# Altium PCB BB.PcbDoc (part 2 of 9) (continued)
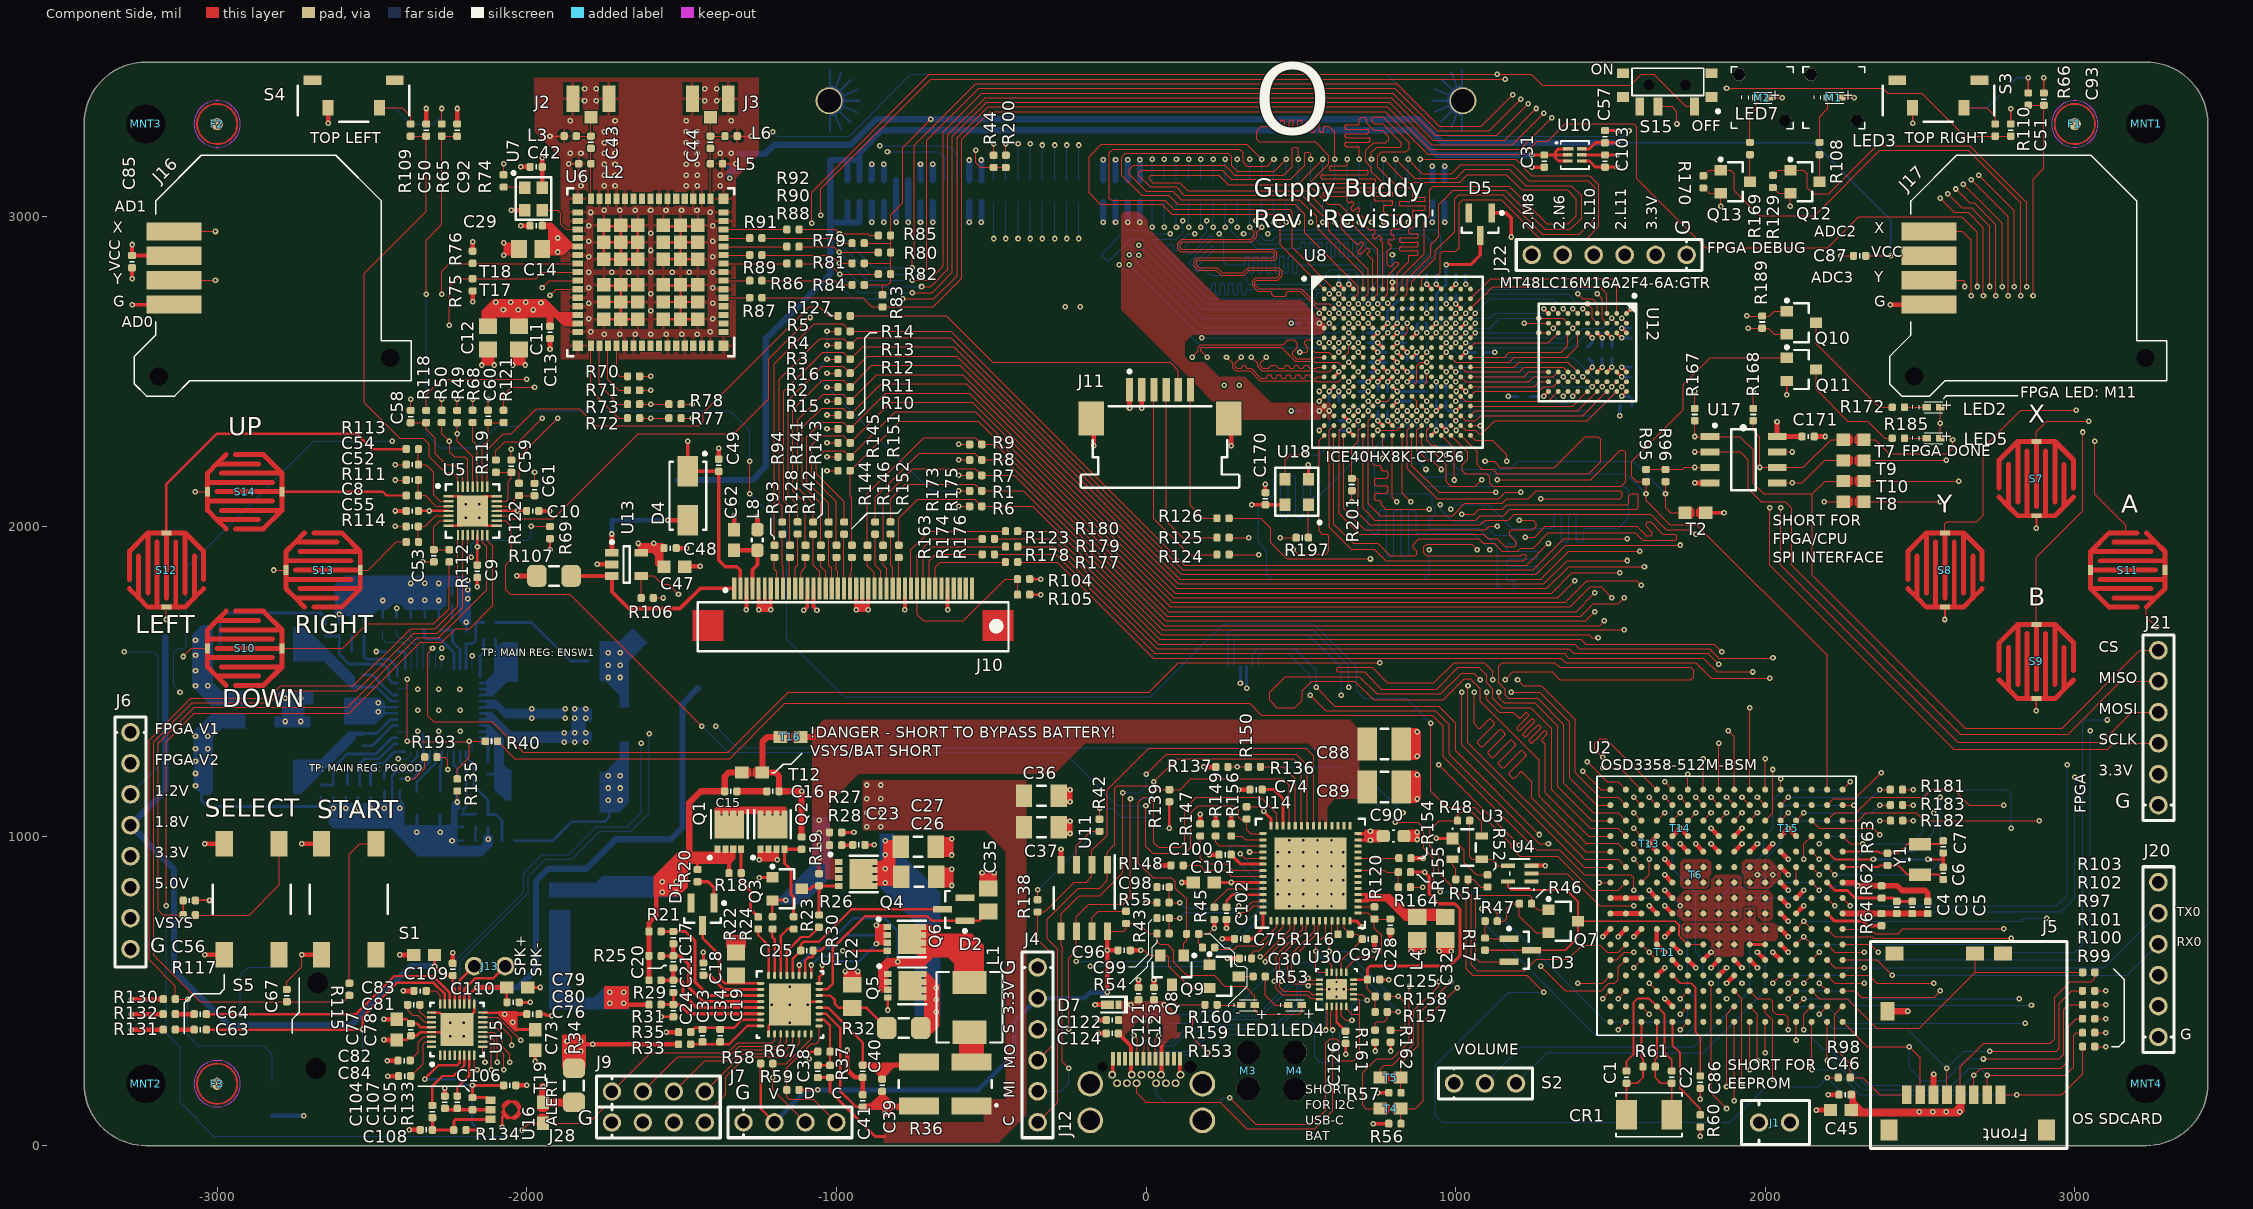
[diagram p0: Component Side view]
## Part data (continued)
J12: "CONN RCPT USB C TOP MNT HYBRID", Manufacturer="JAE Electronics", Manufacturer Part Number=DX07S024XJ1R1100, Supplier Part Number 1=670-2848-1-ND, Category="Connectors, Interconnects", ComponentLink1Description=http://media.digikey.com/pdf/Data%20Sheets/JAE%20PDFs/DX07S024XJ1_Dwg.pdf, ComponentLink1URL=http://media.digikey.com/pdf/Data%20Sheets/JAE%20PDFs/DX07S024XJ1_Dwg.pdf, Connector Type="USB - C", Features="Board Guide", Gender=Receptacle, Ingress Protection=-, Mounting Type="Surface Mount, Right Angle; Through Hole", Number of Contacts=24, Packaging="Cut Tape (CT)", Part Status=Active, Pricing 1="1=2.85, 10=2.587, 25=2.4288, 50=2.3232, 100=2.2176, 250=2.0064, 500=1.848 (USD)", RoHS="RoHS Compliant", Specifications="USB 3.1, Superspeed+", Stock 1=1709, Supplier 1=Digi-Key
J13: library part J_1X2_HOLES
J14 J15: "CONN HEADER PH SIDE 2POS 2MM SMD", Color=Natural, Manufacturer="JST Sales America Inc", Manufacturer Part Number=S2B-PH-SM4-TB(LF)(SN), Supplier Part Number 1=455-1749-1-ND, Category="Connectors, Interconnects", ComponentLink1Description=http://www.jst-mfg.com/product/pdf/eng/ePH.pdf, ComponentLink1URL=http://www.jst-mfg.com/product/pdf/eng/ePH.pdf, Connector Type="Header, Shrouded", Contact Finish=Tin, Contact Finish Thickness=-, Contact Mating Length=-, Contact Type="Male Pin", Fastening Type=-, Features="Solder Retention", Mounting Type="Surface Mount, Right Angle", Number of Positions=2, Number of Positions Loaded=All, Number of Rows=1, Packaging="Cut Tape (CT)", Pitch="0.079\" (2.00mm)", Pricing="1=0.51, 10=0.474, 100=0.3947, 500=0.31576 (USD)", RoHS="RoHS Compliant", Row Spacing=-, Stock 1=29466, Supplier 1=Digi-Key, Termination=Solder
J16 J17: "THUMB SLIDE JOYSTICK", Manufacturer 1=SparkFun, Manufacturer Part Number 1=COM-09426, Supplier Part Number 1=1568-1848-ND, ComponentLink1Description=https://media.digikey.com/pdf/Data%20Sheets/Sparkfun%20PDFs/COM-09426_Web.pdf, ComponentLink1URL=https://media.digikey.com/pdf/Data%20Sheets/Sparkfun%20PDFs/COM-09426_Web.pdf, Stock 1=0, Supplier 1=Digi-Key
J18: "1MM MINI-EDGE CARD ASSEMBLY", Housing Colour=Black, Manufacturer 1=Samtec, Manufacturer Part Number 1=MEC1-150-02-F-D-RA1-SL, Max Operating Temperature=125°C, Min Operating Temperature=-55°C, Supplier Part Number 1=SAM12707-ND, Contact Material=Bronze, Contact Plating=Gold, Gender=Receptacle, Housing Material=Polymer, Mount="Surface Mount", Number of Contacts=100, Number of Rows=2, Orientation="Right Angle", Packaging=Rail/Tube, Pitch=1mm, Pricing 1="1=8.99, 10=8.602, 25=7.82, 50=7.429, 100=7.2335, 250=6.45152, 500=6.0605, 1000=5.3567 (USD)", Radiation Hardening=No, REACH SVHC="No SVHC", Stock 1=50, Supplier 1=Digi-Key, Termination=Solder
J19: library part J_HEADPHONE_JACK, "CONN AUDIO JACK 3.5MM 4COND SMD", Color=Green, Manufacturer="CUI Inc", Manufacturer Part Number=SJ-43516-SMT-GR, Supplier Part Number 1=CP-43516SJGRCT-ND, Category="Connectors, Interconnects", ComponentLink1Description=http://products.cui.com/GetSpecForDigikey.aspx?MFGNum=SJ-43516-SMT, ComponentLink1URL=http://products.cui.com/GetSpecForDigikey.aspx?MFGNum=SJ-43516-SMT, Connector Type="Phone Jack", Features="Board Guide", Gender=Female, Internal Switch(s)="Two Switches", Mounting Type="Surface Mount, Right Angle", Number of Positions/Contacts="4 Conductors, 6 Contacts", Packaging="Cut Tape (CT)", Plug/Mating Plug Diameter="3.50mm (0.141\", 1/8\", Mini Plug) - Headphone", Pricing="1=1.26, 10=0.982, 100=0.749, 500=0.59796 (USD)", RoHS="RoHS Compliant", Shielding=Unshielded, Signal Lines=Stereo, Stock 1=3934, Supplier 1=Digi-Key, Termination=Solder
J20: "CONN HEADER FEMALE 6POS .1\" TIN", Color=Black, Manufacturer=Samtec, Manufacturer Part Number=SSW-106-01-T-S, Category="Connectors, Interconnects", ComponentLink1Description=http://www.sullinscorp.com/drawings/101_xPxCxxxLFBN-RC,_10492-D.pdf, ComponentLink1URL=http://www.sullinscorp.com/drawings/101_xPxCxxxLFBN-RC,_10492-D.pdf, Connector Type=Header, Contact Finish=Tin, Contact Finish Thickness=-, Contact Type="Female Socket", Mounting Type="Through Hole", Number of Positions=6, Number of Positions Loaded=All, Number of Rows=1, Pitch="0.100\" (2.54mm)", Pricing=0.373, Supplier 1=Samtec, Supplier Part Number 1=SSW-106-01-T-S, Termination=Solder
J21 J22: "6 Holes"
L1: "2.2µH Shielded Molded Inductor 5A 37.7 mOhm Max", DC Resistance (DCR)="37.7 mOhm Max", Manufacturer="Vishay Dale", Manufacturer Part Number=IHLP2020BZER2R2M11, Operating Temperature="-55°C ~ 125°C", Package / Case=Nonstandard, Q @ Freq=-, Supplier Part Number 1=541-1220-1-ND, Tolerance=±20%, Category="Inductors, Coils, Chokes", ComponentLink1Description=http://www.vishay.com/docs/34261/ihlp2020bz11.pdf, ComponentLink1URL=http://www.vishay.com/docs/34261/ihlp2020bz11.pdf, Height - Seated (Max)="0.079\" (2.00mm)", Material - Core=-, Mounting Type="Surface Mount", Packaging="Cut Tape (CT)", Part Status=Active, Pricing 1="1=2.39, 10=2.208, 100=1.5456, 500=1.2512, 1000=1.1408 (USD)", Ratings=-, RoHS="RoHS Compliant", Shielding=Shielded, Size / Dimension="0.216\" L x 0.204\" W (5.49mm x 5.18mm)", Stock 1=9448, Supplier 1=Digi-Key, Supplier Device Package=-, Type=Molded
L2 L3: "FIXED IND 1.3NH 1A 90 MOHM", Case/Package=0402, Case Code (Metric)=1005, Current=300mA, DC Resistance (DCR)=90mR, Inductance=1.3nh, Manufacturer 1=Murata, Manufacturer Part Number 1=LQG15HS1N3S02D, Max Operating Temperature=125°C, Min Operating Temperature=-55°C, Package Quantity=10000, Self Resonant Frequency=6GHz, Supplier Part Number 1=490-6568-6-ND, Test Frequency=100MHz, Tolerance=5%, Case Code (Imperial)=0402, ComponentLink1Description=http://search.murata.co.jp/Ceramy/image/img/PDF/ENG/L0075S0084LQP15M.pdf, ComponentLink1URL=http://search.murata.co.jp/Ceramy/image/img/PDF/ENG/L0075S0084LQP15M.pdf, ComponentLink2Description=https://datasheet.ciiva.com/8510/l0075s0083lqg15hs-8510837.pdf, ComponentLink2URL=https://datasheet.ciiva.com/8510/l0075s0083lqg15hs-8510837.pdf, ComponentLink3Description=https://datasheet.ciiva.com/4977/o05e-4977799.pdf, ComponentLink3URL=https://datasheet.ciiva.com/4977/o05e-4977799.pdf, ComponentLink4Description=https://datasheet.ciiva.com/6690/l0075s0083lqg15hs-6690759.pdf, ComponentLink4URL=https://datasheet.ciiva.com/6690/l0075s0083lqg15hs-6690759.pdf, ComponentLink5Description=https://datasheet.ciiva.com/6690/l0075s0083lqg15hs-6690762.pdf, ComponentLink5URL=https://datasheet.ciiva.com/6690/l0075s0083lqg15hs-6690762.pdf, ComponentLink6Description=https://datasheet.ciiva.com/6690/l0075s0083lqg15hs-6690763.pdf, ComponentLink6URL=https://datasheet.ciiva.com/6690/l0075s0083lqg15hs-6690763.pdf, ComponentLink7Description=https://datasheet.ciiva.com/11801/0900766b80f10809-11801404.pdf, ComponentLink7URL=https://datasheet.ciiva.com/11801/0900766b80f10809-11801404.pdf, ComponentLink8Description=https://datasheet.ciiva.com/17247/l0075s0083lqg15hs-17247117.pdf, ComponentLink8URL=https://datasheet.ciiva.com/17247/l0075s0083lqg15hs-17247117.pdf, ComponentLink9Description=https://datasheet.ciiva.com/17279/l0075s0083lqg15hs-17279241.pdf, ComponentLink9URL=https://datasheet.ciiva.com/17279/l0075s0083lqg15hs-17279241.pdf, ComponentLink10Description=https://datasheet.ciiva.com/6705/l0075s0083lqg15hs-6705242.pdf, ComponentLink10URL=https://datasheet.ciiva.com/6705/l0075s0083lqg15hs-6705242.pdf, ComponentLink11Description=https://datasheet.ciiva.com/6705/l0075s0083lqg15hs-6705243.pdf, ComponentLink11URL=https://datasheet.ciiva.com/6705/l0075s0083lqg15hs-6705243.pdf, ComponentLink12Description=https://datasheet.ciiva.com/6705/l0075s0083lqg15hs-6705244.pdf, ComponentLink12URL=https://datasheet.ciiva.com/6705/l0075s0083lqg15hs-6705244.pdf, ComponentLink13Description=https://datasheet.ciiva.com/11801/0900766b8090d53b-11801407.pdf, ComponentLink13URL=https://datasheet.ciiva.com/11801/0900766b8090d53b-11801407.pdf, Core Material=Air, Current Rating=300mA, DC Current=300mA, Depth=0.55mm, Description 1="Inductor RF Chip Multi-Layer 1.3nH 0.3nH 100MHz 8Q-Factor Air 300mA 90mOhm DCR 0402 Paper T/R", Height=0.5mm, Height - Seated (Max)=0.022inch, Length=1mm, Max DC Current=300mA, Military Standard=Not, Mount="Surface Mount", Packaging="Tape and Reel", Pricing 1="1=0.1, 10=0.061, 100=0.0404, 500=0.03366, 1000=0.02827, 2500=0.02423 (USD)", Q Factor=8, Radiation Hardening=No, Shielding=Unshielded, Stock 1=37779, Supplier 1=Digi-Key, Termination=SMD/SMT, Width=0.5mm
L4: "FERRITE BEAD 21 OHM 0805 1LN", Case/Package=0805, Case Code (Metric)=2012, Current Rating=6A, DC Resistance (DCR)=4mR, Frequency=100MHz, Impedance @ Frequency="21 Ohm @ 100MHz", Manufacturer="Taiyo Yuden", Manufacturer Part Number=FBMJ2125HM210NT, Max Operating Temperature=125°C, Min Operating Temperature=-40°C, Package Quantity=1, Supplier Part Number 1=587-1765-6-ND, Tolerance=30%, Case Code (Imperial)=0805, ComponentLink1Description=https://datasheet.ciiva.com/6212/fbmj2125hm210nt-ss-6212912.pdf, ComponentLink1URL=https://datasheet.ciiva.com/6212/fbmj2125hm210nt-ss-6212912.pdf, ComponentLink2Description=https://datasheet.ciiva.com/6212/chipbeads01-e-6212907.pdf, ComponentLink2URL=https://datasheet.ciiva.com/6212/chipbeads01-e-6212907.pdf, ComponentLink3Description=https://datasheet.ciiva.com/25614/0900766b810b37be-25614411.pdf, ComponentLink3URL=https://datasheet.ciiva.com/25614/0900766b810b37be-25614411.pdf, ComponentLink4Description=https://datasheet.ciiva.com/6212/chipbeads01-e-6212908.pdf, ComponentLink4URL=https://datasheet.ciiva.com/6212/chipbeads01-e-6212908.pdf, Core Material=Ferrite, Depth=1.45mm, Halogen Free="Halogen Free", Height=0.041inch, Impedance=21R, Lead Free="Lead Free", Length=0.079inch, Material=Ferrite, Max Current Rating=6A, Max DC Current=6A, Number of Lines=1, Number of Pins=2, Package / Case=0805, Packaging="Tape and Reel", Pricing 1="1=0.12, 10=0.099, 25=0.0772, 50=0.0638, 100=0.055, 250=0.044, 500=0.0396, 1000=0.033 (USD)", REACH SVHC=Unknown, Shielding=Unshielded, Stock 1=12560, Supplier 1=Digikey, Termination=SMD/SMT, Test Frequency=100MHz, Width=0.049inch
L5: "FIXED IND 2.2NH 950MA 150 MOHM", Case/Package=0402, Case Code (Metric)=1005, Current Rating=300mA, DC Resistance (DCR)=150mR, Inductance=2.2nh, Manufacturer 1=Murata, Manufacturer Part Number 1=LQG15HN2N2S02D, Max Operating Temperature=125°C, Min Operating Temperature=-55°C, Package Quantity=10000, Self Resonant Frequency=6GHz, Supplier Part Number 1=490-1077-6-ND, Test Frequency=100MHz, Case Code (Imperial)=0402, ComponentLink1Description=http://search.murata.co.jp/Ceramy/image/img/PDF/ENG/L0075S0084LQP15M.pdf, ComponentLink1URL=http://search.murata.co.jp/Ceramy/image/img/PDF/ENG/L0075S0084LQP15M.pdf, ComponentLink2Description=https://datasheet.ciiva.com/8510/l0075s0083lqg15hs-8510837.pdf, ComponentLink2URL=https://datasheet.ciiva.com/8510/l0075s0083lqg15hs-8510837.pdf, ComponentLink3Description=https://datasheet.ciiva.com/4977/o05e-4977799.pdf, ComponentLink3URL=https://datasheet.ciiva.com/4977/o05e-4977799.pdf, ComponentLink4Description=https://datasheet.ciiva.com/6690/l0075s0083lqg15hs-6690759.pdf, ComponentLink4URL=https://datasheet.ciiva.com/6690/l0075s0083lqg15hs-6690759.pdf, ComponentLink5Description=https://datasheet.ciiva.com/6690/l0075s0083lqg15hs-6690762.pdf, ComponentLink5URL=https://datasheet.ciiva.com/6690/l0075s0083lqg15hs-6690762.pdf, ComponentLink6Description=https://datasheet.ciiva.com/6690/l0075s0083lqg15hs-6690763.pdf, ComponentLink6URL=https://datasheet.ciiva.com/6690/l0075s0083lqg15hs-6690763.pdf, ComponentLink7Description=https://datasheet.ciiva.com/11801/0900766b80f10809-11801404.pdf, ComponentLink7URL=https://datasheet.ciiva.com/11801/0900766b80f10809-11801404.pdf, ComponentLink8Description=https://datasheet.ciiva.com/17247/l0075s0083lqg15hs-17247117.pdf, ComponentLink8URL=https://datasheet.ciiva.com/17247/l0075s0083lqg15hs-17247117.pdf, ComponentLink9Description=https://datasheet.ciiva.com/1063/l0075s0083lqg15hn-1063840.pdf, ComponentLink9URL=https://datasheet.ciiva.com/1063/l0075s0083lqg15hn-1063840.pdf, ComponentLink10Description=https://datasheet.ciiva.com/11801/0900766b80f10808-11801393.pdf, ComponentLink10URL=https://datasheet.ciiva.com/11801/0900766b80f10808-11801393.pdf, ComponentLink11Description=https://datasheet.ciiva.com/8002/66026-8002501.pdf, ComponentLink11URL=https://datasheet.ciiva.com/8002/66026-8002501.pdf, ComponentLink12Description=https://datasheet.ciiva.com/17247/l0075s0083lqg15hn-17247093.pdf, ComponentLink12URL=https://datasheet.ciiva.com/17247/l0075s0083lqg15hn-17247093.pdf, ComponentLink13Description=https://datasheet.ciiva.com/18090/getdatasheetpartid-210549-18090181.pdf, ComponentLink13URL=https://datasheet.ciiva.com/18090/getdatasheetpartid-210549-18090181.pdf, ComponentLink14Description=https://datasheet.ciiva.com/8510/l0075s0083lqg15hn-8510908.pdf, ComponentLink14URL=https://datasheet.ciiva.com/8510/l0075s0083lqg15hn-8510908.pdf, ComponentLink15Description=https://datasheet.ciiva.com/5740/66026-5740734.pdf, ComponentLink15URL=https://datasheet.ciiva.com/5740/66026-5740734.pdf, Core Material=Air, DC Current=300mA, Depth=0.55mm, Description 1="FIXED IND 2.2NH 300MA 150 MOHM", Height=0.02inch, Height - Seated (Max)=0.022inch, Lead Free="Lead Free", Length=1mm, Max DC Current=300mA, Military Standard=Not, Mount="Surface Mount", Number of Pins=2, Packaging="Tape and Reel", Pricing 1="1=0.1, 10=0.061, 100=0.0404, 500=0.03366, 1000=0.02827, 2500=0.02423 (USD)", Q Factor=8, Radiation Hardening=No, REACH SVHC="No SVHC", Shielding=Unshielded, Stock 1=13661, Supplier 1=Digi-Key, Termination=SMD/SMT, Width=0.02inch
L6: "FIXED IND 1.8NH 950MA 100 MOHM", Case/Package=0402, Case Code (Metric)=1005, Current Rating=300mA, DC Resistance (DCR)=100mR, Inductance=1.8nh, Manufacturer 1=Murata, Manufacturer Part Number 1=LQG15HS1N8S02D, Max Operating Temperature=125°C, Min Operating Temperature=-55°C, Package Quantity=1, Self Resonant Frequency=6GHz, Supplier Part Number 1=490-2613-6-ND, Test Frequency=100MHz, Case Code (Imperial)=0402, ComponentLink1Description=http://search.murata.co.jp/Ceramy/image/img/PDF/ENG/L0075S0084LQP15M.pdf, ComponentLink1URL=http://search.murata.co.jp/Ceramy/image/img/PDF/ENG/L0075S0084LQP15M.pdf, ComponentLink2Description=https://datasheet.ciiva.com/8510/l0075s0083lqg15hs-8510837.pdf, ComponentLink2URL=https://datasheet.ciiva.com/8510/l0075s0083lqg15hs-8510837.pdf, ComponentLink3Description=https://datasheet.ciiva.com/4977/o05e-4977799.pdf, ComponentLink3URL=https://datasheet.ciiva.com/4977/o05e-4977799.pdf, ComponentLink4Description=https://datasheet.ciiva.com/6690/l0075s0083lqg15hs-6690759.pdf, ComponentLink4URL=https://datasheet.ciiva.com/6690/l0075s0083lqg15hs-6690759.pdf, ComponentLink5Description=https://datasheet.ciiva.com/6690/l0075s0083lqg15hs-6690762.pdf, ComponentLink5URL=https://datasheet.ciiva.com/6690/l0075s0083lqg15hs-6690762.pdf, ComponentLink6Description=https://datasheet.ciiva.com/6690/l0075s0083lqg15hs-6690763.pdf, ComponentLink6URL=https://datasheet.ciiva.com/6690/l0075s0083lqg15hs-6690763.pdf, ComponentLink7Description=https://datasheet.ciiva.com/11801/0900766b80f10809-11801404.pdf, ComponentLink7URL=https://datasheet.ciiva.com/11801/0900766b80f10809-11801404.pdf, ComponentLink8Description=https://datasheet.ciiva.com/17247/l0075s0083lqg15hs-17247117.pdf, ComponentLink8URL=https://datasheet.ciiva.com/17247/l0075s0083lqg15hs-17247117.pdf, Core Material=Air, DC Current=300mA, Depth=0.55mm, Description 1="Inductor RF Chip Multi-Layer 1.8nH 0.3nH 100MHz 8Q-Factor Air 300mA 100mOhm DCR 0402 Paper T/R", Height=0.5mm, Height - Seated (Max)=0.022inch, Lead Free="Lead Free", Length=0.039inch, Max DC Current=300mA, Military Standard=Not, Mount="Surface Mount", Packaging="Tape and Reel", Pricing 1="1=0.1, 10=0.056, 100=0.0376, 500=0.03136, 1000=0.02633, 2500=0.02257 (USD)", Q Factor=8, Radiation Hardening=No, Shielding=Unshielded, Stock 1=67587, Supplier 1=Digi-Key, Termination=SMD/SMT, Width=0.02inch
L7: "FIXED IND 6.8UH 3.7A 32.5 MOHM", Case/Package=Nonstandard, Current Rating=3.7A, DC Resistance (DCR)=32.5mR, Inductance=6.8µH, Manufacturer="Taiyo Yuden", Manufacturer Part Number=NR8040T6R8N, Max DC Current=4A, Max Operating Temperature=120°C, Min Operating Temperature=-25°C, Package Quantity=1000, Self Resonant Frequency=24MHz, Supplier Part Number 1=587-2000-6-ND, Test Frequency=100KHz, Tolerance=30%, ComponentLink1Description=https://datasheet.ciiva.com/23806/1750159-23806706.pdf, ComponentLink1URL=https://datasheet.ciiva.com/23806/1750159-23806706.pdf, ComponentLink2Description=https://datasheet.ciiva.com/8502/nr8040t6r8n-ss-8502742.pdf, ComponentLink2URL=https://datasheet.ciiva.com/8502/nr8040t6r8n-ss-8502742.pdf, ComponentLink3Description=https://datasheet.ciiva.com/1045/wound04-e-1045225.pdf, ComponentLink3URL=https://datasheet.ciiva.com/1045/wound04-e-1045225.pdf, ComponentLink4Description=https://datasheet.ciiva.com/1045/wound04-e-1045226.pdf, ComponentLink4URL=https://datasheet.ciiva.com/1045/wound04-e-1045226.pdf, ComponentLink5Description=https://datasheet.ciiva.com/1045/wound04-e-1045227.pdf, ComponentLink5URL=https://datasheet.ciiva.com/1045/wound04-e-1045227.pdf, Composition=Wirewound, Core Material=Ferrite, Depth=8.2mm, Halogen Free="Halogen Free", Height=4mm, Height - Seated (Max)=0.157inch, Lead Free="Lead Free", Length=0.315inch, Number of Pins=2, Packaging="Tape and Reel", Pricing 1="1=0.53, 10=0.46, 100=0.3283, 500=0.2758 (USD)", Radiation Hardening=No, Saturation Current=4A, Shielding=Shielded, Stock 1=11407, Supplier 1=Digikey, Termination=SMD/SMT, Width=8mm
L8: "FERRITE BEAD 30 OHM 0603", Current Rating (Max)=5A, DC Resistance (DCR) (Max)="10 mOhm", Impedance @ Frequency="30 Ohm @ 100MHz", Manufacturer="TDK Corporation", Manufacturer Part Number=MPZ1608S300ATAH0, Operating Temperature="-55°C ~ 125°C", Package / Case="0603 (1608 Metric)", Ratings=-, Supplier Part Number 1=445-1562-1-ND, Category=Filters, ComponentLink1Description=https://product.tdk.com/info/en/catalog/datasheets/beads_commercial_power_mpz1608_en.pdf, ComponentLink1URL=https://product.tdk.com/info/en/catalog/datasheets/beads_commercial_power_mpz1608_en.pdf, Filter Type="Power Line", Height (Max)="0.030\" (0.75mm)", Mounting Type="Surface Mount", Number of Lines=1, Packaging="Cut Tape (CT)", Pricing 1="1=0.1, 10=0.079, 100=0.0472, 250=0.03432, 500=0.03146, 1000=0.02717 (USD)", RoHS="RoHS Compliant", Size / Dimension="0.063\" L x 0.031\" W (1.60mm x 0.80mm)", Stock 1=25799, Supplier 1=Digi-Key
L10 L11 L12 L13: "FIXED IND 4.7UH 5A 41 MOHM SMD", DC Resistance (DCR)="41 mOhm Max", Inductance=4.7µH, Manufacturer=KEMET, Manufacturer Part Number=MPLC0730L4R7, Max DC Current=5A, Operating Temperature="-20°C ~ 120°C", Package / Case="2-SMD, J-Lead", Q @ Freq=-, Supplier Part Number 1=399-10992-1-ND, Tolerance=±20%, Category="Inductors, Coils, Chokes", ComponentLink1Description=https://search.kemet.com/component-edge/download/datasheet/MPLC0730L4R7.pdf, ComponentLink1URL=https://search.kemet.com/component-edge/download/datasheet/MPLC0730L4R7.pdf, Height - Seated (Max)="0.118\" (3.00mm)", Material - Core=-, Mounting Type="Surface Mount", Packaging="Cut Tape (CT)", Part Status=Active, Pricing 1="1=0.9, 10=0.837, 25=0.7728, 50=0.644, 100=0.6054, 250=0.54096, 500=0.46368 (USD)", Ratings=-, RoHS="RoHS Compliant", Shielding=Shielded, Size / Dimension="0.303\" L x 0.264\" W (7.70mm x 6.70mm)", Stock 1=3443, Supplier 1=Digi-Key, Supplier Device Package=-, Type=Wirewound
LED1 LED2 LED3 LED5 LED7: "LED 1X0.5MM 570NM GN WTR CLR SMD", Color=Green, Current - Test=20mA, Luminous Flux @ Current - Test="126 mlm", Manufacturer="Kingbright Corp", Manufacturer Part Number=APHHS1005CGCK, Millicandela Rating=40mcd, Package / Case=0402, Supplier Part Number 1=754-1101-1-ND, Voltage - Forward (Vf) Typ=2.1V, Category=Optoelectronics, ComponentLink1Description=http://www.us.kingbright.com/images/catalog/SPEC/APHHS1005CGCK.pdf, ComponentLink1URL=http://www.us.kingbright.com/images/catalog/SPEC/APHHS1005CGCK.pdf, Lens Style/Size="Rectangle, 0.8mm x 0.5mm", Lens Type=Clear, Mounting Type="Surface Mount", Packaging="Cut Tape (CT)", Pricing="1=0.24, 10=0.176, 25=0.1412, 100=0.1293, 250=0.11752, 500=0.10576, 1000=0.094 (USD)", RoHS="RoHS Compliant", Stock 1=3400, Supplier 1=Digi-Key, Viewing Angle=120°, Wavelength - Dominant=570nm, Wavelength - Peak=574nm
LED4: "LED 1X0.5MM 590NM YW WTR CLR SMD", Color=Yellow, Current - Test=20mA, Luminous Flux @ Current - Test="377 mlm", Manufacturer="Kingbright Corp", Manufacturer Part Number=APHHS1005SYCK, Millicandela Rating=120mcd, Package / Case=0402, Supplier Part Number 1=754-1105-1-ND, Voltage - Forward (Vf) Typ=2.0V, Category=Optoelectronics, ComponentLink1Description=http://www.us.kingbright.com/images/catalog/SPEC/APHHS1005SYCK.pdf, ComponentLink1URL=http://www.us.kingbright.com/images/catalog/SPEC/APHHS1005SYCK.pdf, Lens Style/Size="Rectangle, 0.8mm x 0.5mm", Lens Type=Clear, Mounting Type="Surface Mount", Packaging="Cut Tape (CT)", Pricing="1=0.26, 10=0.195, 25=0.156, 100=0.143, 250=0.13, 500=0.117, 1000=0.104 (USD)", RoHS="RoHS Compliant", Stock 1=15829, Supplier 1=Digi-Key, Viewing Angle=120°, Wavelength - Dominant=590nm, Wavelength - Peak=590nm
M1 M2: "LIGHT PIPE 4MM SINGLE VERT SMD", Colour=Clear, Manufacturer 1=Lumex, Manufacturer Part Number 1=LPA-C011301S-4, Package Quantity=1000, Supplier Part Number 1=67-2199-ND, ComponentLink1Description=https://www.lumex.com/content/files/ProductAttachment/829201730304-LPA-C011301S-X.pdf, ComponentLink1URL=https://www.lumex.com/content/files/ProductAttachment/829201730304-LPA-C011301S-X.pdf, ComponentLink2Description=http://www.farnell.com/datasheets/1423946.pdf, ComponentLink2URL=http://www.farnell.com/datasheets/1423946.pdf, ComponentLink3Description=http://www.mouser.com/ds/2/244/LPA-C011301S-4-1135475.pdf, ComponentLink3URL=http://www.mouser.com/ds/2/244/LPA-C011301S-4-1135475.pdf, Description 1="LIGHT PIPE 4MM SINGLE VERT SMD", Element Configuration=Single, Lead Free="Lead Free", Length=4mm, Material=PC,Polycarbonate, Mount=Press-Fit, Pricing 1="1=1.26, 10=1.027, 25=0.79, 100=0.711, 250=0.632, 500=0.5372, 1000=0.4424, 3000=0.42028, 5000=0.4108 (USD)", Stock 1=9623, Supplier 1=Digi-Key
M3 M4: library part M_RA_LIGHTPIPE_7513D2-S, "OPTICAL LIGHT PIPE", Colour=Clear, Manufacturer 1=Dialight, Manufacturer Part Number 1=515-1049F, Package Quantity=200, Supplier Part Number 1=350-2175-ND, ComponentLink1Description=https://www.vcclite.com/wp-content/uploads/wpallimport/files/files/7513D2-S.pdf, ComponentLink1URL=https://www.vcclite.com/wp-content/uploads/wpallimport/files/files/7513D2-S.pdf, ComponentLink2Description=http://www.mouser.com/ds/2/423/7513D2-S%20Series%20BrightPipes%20Optical%20Lightpipes-552477.pdf, ComponentLink2URL=http://www.mouser.com/ds/2/423/7513D2-S%20Series%20BrightPipes%20Optical%20Lightpipes-552477.pdf, ComponentLink3Description=http://www.onlinecomponents.com/productFiles/mf-CM/1857513d2-sseriesbrightpipesopticallightpipes.pdf, ComponentLink3URL=http://www.onlinecomponents.com/productFiles/mf-CM/1857513d2-sseriesbrightpipesopticallightpipes.pdf, ComponentLink4Description=http://www.mouser.com/ds/2/109/C16134-348814.pdf, ComponentLink4URL=http://www.mouser.com/ds/2/109/C16134-348814.pdf, ComponentLink5Description=http://www.farnell.com/cad/1924634.pdf, ComponentLink5URL=http://www.farnell.com/cad/1924634.pdf, ComponentLink6Description=http://www.onlinecomponents.com/productFiles/mf-DIA/c16134.pdf, ComponentLink6URL=http://www.onlinecomponents.com/productFiles/mf-DIA/c16134.pdf, ComponentLink7Description=http://www.dialight.com/Assets/Drawings/2D_Drawings_DrawingDetailedSpec/C16134.pdf, ComponentLink7URL=http://www.dialight.com/Assets/Drawings/2D_Drawings_DrawingDetailedSpec/C16134.pdf, ComponentLink8Description=https://www.distrelec.biz/Web/Downloads/5_/en/ljDialight_LIghtPipe-515_EN.pdf?mime=application%2Fpdf, ComponentLink8URL=https://www.distrelec.biz/Web/Downloads/5_/en/ljDialight_LIghtPipe-515_EN.pdf?mime=application%2Fpdf, ComponentLink9Description=http://uk.rs-online.com/webdocs/1383/0900766b81383d56.pdf, ComponentLink9URL=http://uk.rs-online.com/webdocs/1383/0900766b81383d56.pdf, ComponentLink10Description=http://www.dialightsignalsandcomponents.com/Assets/Brochures_And_Catalogs/Indication/Lightpipe_Selector_Guide.pdf, ComponentLink10URL=http://www.dialightsignalsandcomponents.com/Assets/Brochures_And_Catalogs/Indication/Lightpipe_Selector_Guide.pdf, Description 1="DIALIGHT         515-1049F             Light Pipe, 16.6 mm, Circular, 1 Pipes, Transparent, Press Fit", Element Configuration=Single, Lead Free="Lead Free", Length=16.6mm, Lens Colour=Clear, Lens Style=Round, Material=Polycarbonate, Mount=PCB,Press-Fit, Number of Columns=1, Number of Rows=1, Orientation="Right Angle", Packaging=Bulk, Pricing 1="1=1.56, 10=1.267, 25=0.9748, 100=0.8772, 250=0.77972, 500=0.66276, 1000=0.5458, 2500=0.51851, 5000=0.50682 (USD)", REACH SVHC="No SVHC", Stock 1=44750, Supplier 1=Digi-Key
MNT1 MNT2 MNT3 MNT4: library part MNT?
Q1 Q2 Q4 Q5 Q6: library part Q_N-CH_8SON_60A_9.5mOHM, "MOSFET N-CH 25V 60A 8-SON", Current - Continuous Drain (Id) @ 25° C=60A, Drain to Source Voltage (Vdss)=25V, Input Capacitance (Ciss) @ Vds="800pF @ 12.5V", Manufacturer="Texas Instruments", Manufacturer Part Number=CSD16409Q3, Package / Case=8-SON, Power - Max=2.6W, Supplier Part Number 1=296-24253-1-ND, Category="Discrete Semiconductor Products", ComponentLink1Description=http://focus.ti.com/lit/ds/symlink/csd16409q3.pdf, ComponentLink1URL=http://focus.ti.com/lit/ds/symlink/csd16409q3.pdf, FET Feature="Logic Level Gate", FET Type="MOSFET N-Channel, Metal Oxide", Gate Charge (Qg) @ Vgs="5.6nC @ 4.5V", Mounting Type="Surface Mount", Packaging="Cut Tape (CT)", Pricing="1=1.72, 25=1.356, 100=1.2204, 250=1.0622, 500=0.9492, 1000=0.7458 (USD)", RoHS="RoHS Compliant By Exemption", Stock 1=39445, Supplier 1=Digi-Key, Supplier Device Package=8-SON, Vgs(th) (Max) @ Id="2.3V @ 250µA"
  Q1 Q2: Rds On (Max) @ Id, Vgs="8.2 mOhm"
  Q4 Q5 Q6: Rds On (Max) @ Id, Vgs="8.2 mOhm @ 17A, 10V"
Q3: library part Q_NFET_3.50A_SOT23, "MOSFET N-CH 20V 3.5A SOT23-3", Current - Continuous Drain (Id) @ 25° C=3.5A, Drain to Source Voltage (Vdss)=20V, Input Capacitance (Ciss) @ Vds="872pF @ 10V", Manufacturer=Diodes/Zetex, Manufacturer Part Number=ZXMN2B14FHTA, Package / Case=SOT-23-3, Power - Max=1W, Supplier Part Number 1=ZXMN2B14FHCT-ND, Category="Discrete Semiconductor Products", ComponentLink1Description=http://www.diodes.com/datasheets/ZXMN2B14FH.pdf, ComponentLink1URL=http://www.diodes.com/datasheets/ZXMN2B14FH.pdf, FET Feature="Logic Level Gate", FET Type="MOSFET N-Channel, Metal Oxide", Gate Charge (Qg) @ Vgs="11nC @ 4.5V", Mounting Type="Surface Mount", Packaging="Cut Tape (CT)", Pricing="1=0.88, 10=0.764, 100=0.603, 250=0.5226, 500=0.4422, 1000=0.35175 (USD)", Rds On (Max) @ Id, Vgs="55 mOhm @ 3.5A, 4.5V", RoHS="RoHS Compliant", Stock 1=14777, Supplier 1=Digi-Key, Supplier Device Package=SOT-23-3, Vgs(th) (Max) @ Id="1V @ 250µA"
Q7: library part Q_PNP_200MA, "TRANS PNP MED PWR 400V SOT23-3", Current - Collector (Ic) (Max)=200mA, Current - Collector Cutoff (Max)=-, DC Current Gain (hFE) (Min) @ Ic, Vce="100 @ 10mA, 1V", Frequency - Transition=300MHz, Manufacturer="Diodes Inc", Manufacturer Part Number=MMST3906-7-F, Package / Case="SC-70, SOT-323", Power - Max=200mW, Supplier Device Package=SOT-323, Supplier Part Number 1=MMST3906-FDICT-ND, Voltage - Collector Emitter Breakdown (Max)=40V, Category="Discrete Semiconductor Products", ComponentLink1Description=http://www.diodes.com/datasheets/ds30079.pdf, ComponentLink1URL=http://www.diodes.com/datasheets/ds30079.pdf, Mounting Type="Surface Mount", Packaging="Cut Tape (CT)", Pricing="1=0.5, 10=0.34, 100=0.16, 250=0.114, 500=0.087, 1000=0.06 (USD)", RoHS="RoHS Compliant", Stock 1=21496, Supplier 1=Digi-Key, Transistor Type=PNP, Vce Saturation (Max) @ Ib, Ic="300mV @ 5mA, 50mA"
Q8 Q9 Q10 Q11 Q12 Q13: library part Q_NFET_3.50A_SOT23, "MOSFET N-CH 20V 3.5A SOT23-3", Current - Continuous Drain (Id) @ 25° C=3.5A, Current - Continuous Drain (Id) @ 25°C="3.5A (Ta)", Drain to Source Voltage (Vdss)=20V, Drive Voltage (Max Rds On,  Min Rds On)="1.8V, 4.5V", Input Capacitance (Ciss) (Max) @ Vds="872pF @ 10V", Manufacturer="Diodes Incorporated", Manufacturer Part Number=ZXMN2B14FHTA, Operating Temperature="-55°C ~ 150°C (TJ)", Package / Case=SOT-23-3, Power - Max=1W, Power Dissipation (Max)="1W (Ta)", Supplier Part Number 1=ZXMN2B14FHCT-ND, Category="Discrete Semiconductor Products", ComponentLink1Description=http://www.diodes.com/_files/datasheets/ZXMN2B14FH.pdf, ComponentLink1URL=http://www.diodes.com/_files/datasheets/ZXMN2B14FH.pdf, FET Feature=-, FET Type=N-Channel, Gate Charge (Qg) (Max) @ Vgs="11nC @ 4.5V", Mounting Type="Surface Mount", Packaging="Cut Tape (CT)", Part Status=Active, Pricing 1="1=0.78, 10=0.683, 100=0.5238, 500=0.41406, 1000=0.33125 (USD)", Rds On (Max) @ Id, Vgs="55 mOhm @ 3.5A, 4.5V", RoHS="RoHS Compliant", Stock 1=1379, Supplier 1=Digi-Key, Supplier Device Package=SOT-23-3, Technology="MOSFET (Metal Oxide)", Vgs (Max)=±8V, Vgs(th) (Max) @ Id="1V @ 250µA"
R1 R2 R3 R4 R5 R24 R47 R48 R60 R65 R79 R80 R81 R82 R83 R84 R85 R97 R98 R99 R100 R101 R102 R103 R104 R105 R106 R109 R130 R135 R149 R150 R155 R156 R164 R193 R195 R196: "RES 10.0K OHM 1/16W 1% 0402 SMD", Case=0402, Manufacturer="Stackpole Electronics Inc", Manufacturer Part Number=RMCF0402FT10K0, Package / Case="0402 (1005 Metric)", Power (Watts)=1/16W, Resistance (Ohms)=10k, Resistance In Ohms=10.0K, Supplier Part Number 1=RMCF0402FT10K0CT-ND, Temperature Coefficient=±100ppm/°C, Tolerance=±1%, Category=Resistors, ComponentLink1Description=http://www.seielect.com/Catalog/SEI-RMCF_RMCP.pdf, ComponentLink1URL=http://www.seielect.com/Catalog/SEI-RMCF_RMCP.pdf, Composition="Thick Film", Features=-, Height="0.016\" (0.40mm)", Number of Terminations=2, Packaging="Cut Tape (CT)", Pricing="1=0.04, 10=0.025, 50=0.0138, 100=0.0105, 250=0.0078, 500=0.00576, 1000=0.00384, 2500=0.00324, 5000=0.0027 (USD)", RoHS="RoHS Compliant", Size / Dimension="0.039\" L x 0.020\" W (1.00mm x 0.50mm)", Stock 1=234525, Supplier 1=Digi-Key